# KiCad board HW.ACIM-PSU.kicad_pcb (continued)
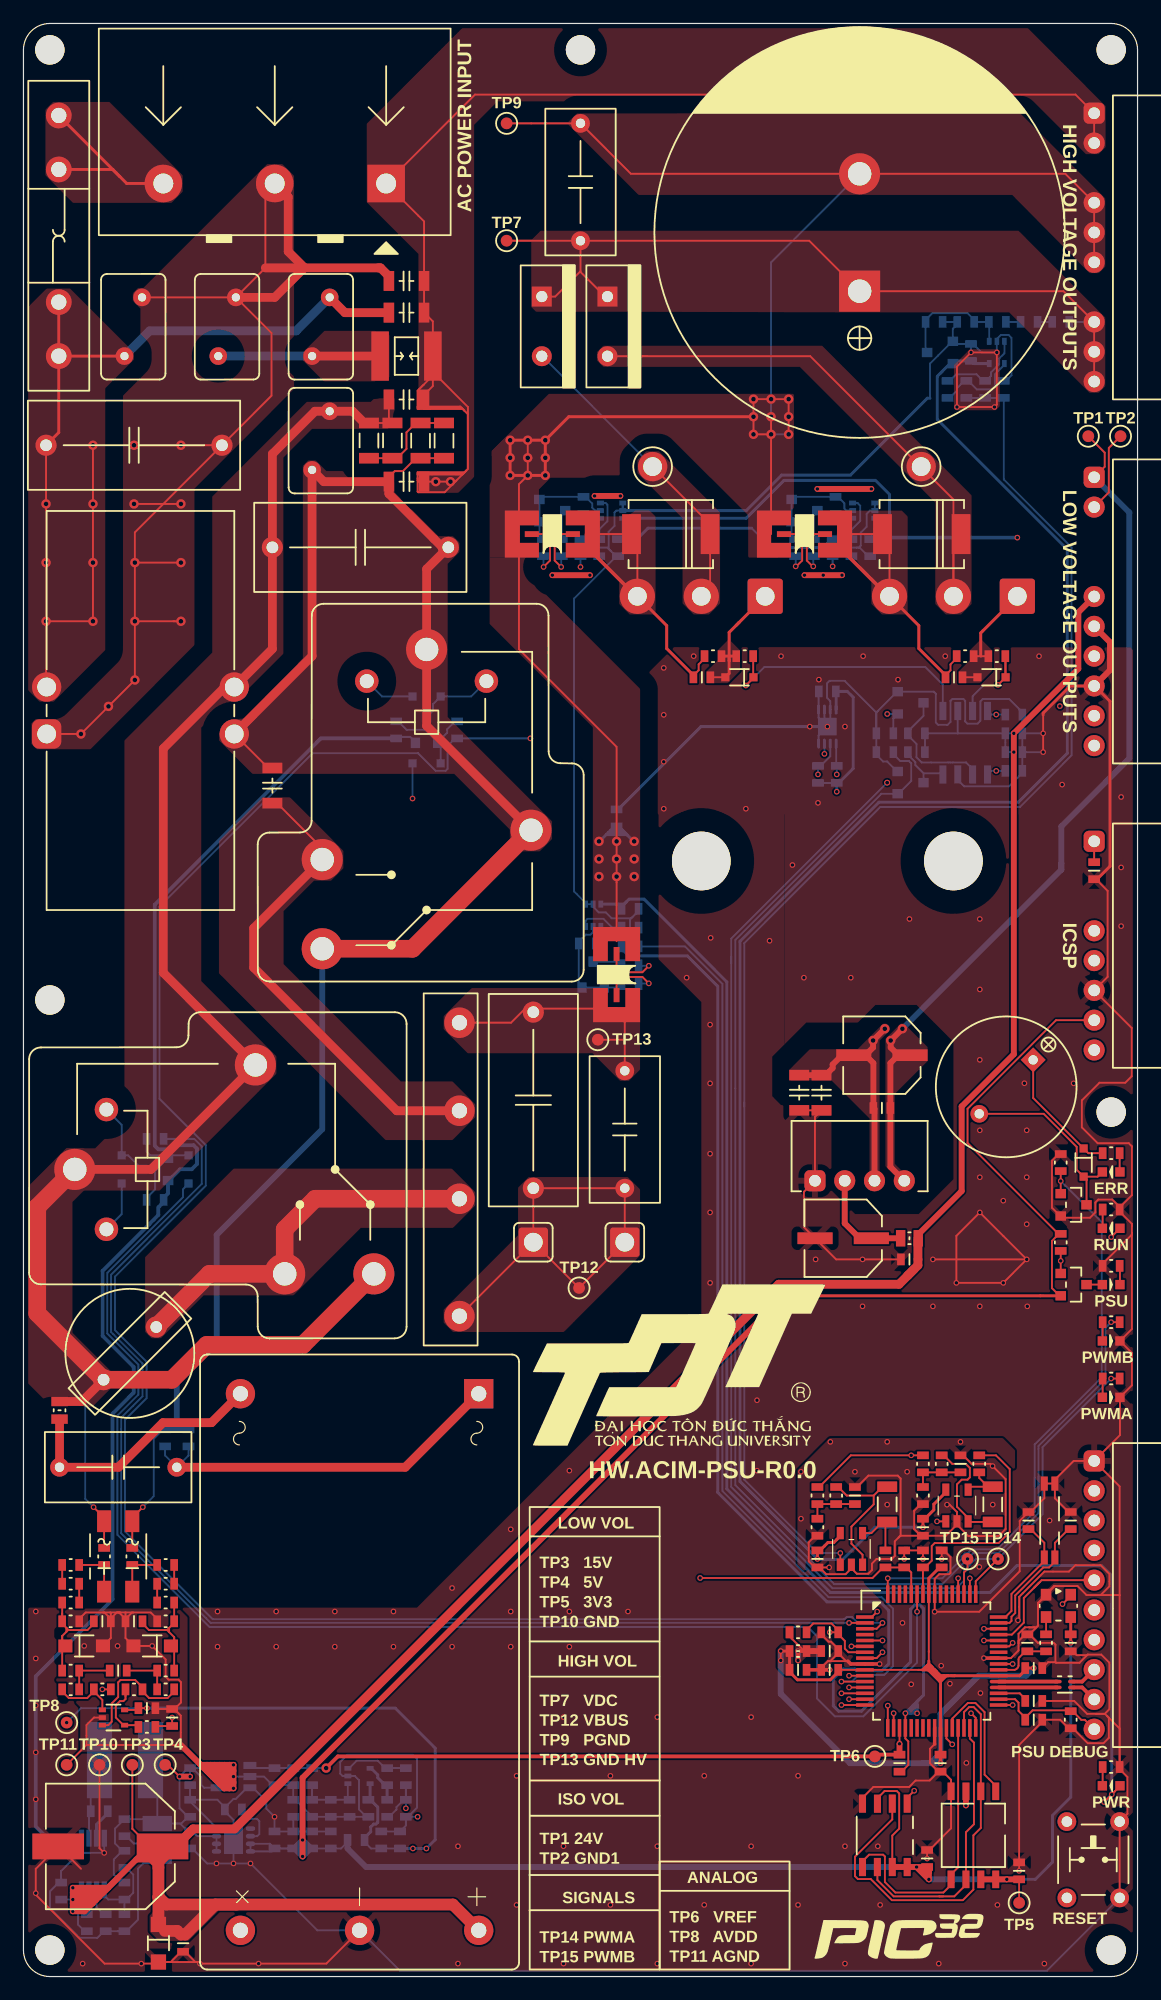
[diagram p0: board, top side]
## Footprints (pads in the part's own frame, mm; a bottom-side part is the same pattern mirrored in y, then rotated)
01000056Z
  round 2.2 hole 1.3: 1(-10.25,0) 1(-5.65,0) 2(5.65,0) 2(10.25,0)
AT-1224
  round 1.5 hole 0.8: 1(3.25,0)
  rect 1.5x1.5 hole 0.8: 2(-3.25,0)
B1524S-1WR3
  rrect 1.8x1.8 hole 1: 1(-3.81,0)
  round 1.8 hole 1: 2(-1.27,0) 3(1.27,0) 4(3.81,0)
BUTTON_4P_6x6
  round 1.6 hole 0.9: 1(-3.25,2.25) 2(3.25,2.25) 3(-3.25,-2.25) 4(3.25,-2.25)
CAP0603
  rect 0.65x1 smd: 1(-0.725,0) 2(0.725,0)
CAP1206
  rect 0.9x1.7 smd: 1(-1.5,0) 2(1.5,0)
CAP1411
  rect 1.3x2.5 smd: +(-1.4,0) -(1.4,0)
CAP_ELEC-6.6x6.6-DIA6.3
  rect 3x1 smd: +(-2.4,0) -(2.4,0)
CAP_ELEC-10.3x10.3-DIA10
  rect 4.4x2.2 smd: +(-4.45,0) -(4.45,0)
CAP_FILM_6.0x12.0x12.5-P10
  round 1.6 hole 0.8: 1(-5,0) 2(5,0)
CDFN3225-4LD-PL-1
  rect 1x0.9 smd: 1(-0.95,1.05) 2(-0.95,-1.05) 3(0.95,-1.05) 4(0.95,1.05)
DFN8_3x3_MCHP
  oval 0.4x0.8 smd: 1(-0.975,-1.45) 2(-0.325,-1.45) 3(0.325,-1.45) 4(0.975,-1.45) 5(0.975,1.45) 6(0.325,1.45) 7(-0.325,1.45) 8(-0.975,1.45)
  rect 2.4x1.6 smd: 9(0,0)
DO-214AB
  rect 1.6x3.4 smd: A(3.35,0) K(-3.35,0)
ECWFE2W105
  round 1.8 hole 1: 1(-7.5,0) 2(7.5,0)
ESMQ451VSN681MA50S
  rect 3.5x3.5 hole 2: +(-5,0)
  round 3.5 hole 2: -(5,0)
FT0603
  rect 0.65x1 smd: 1(-0.725,0) 2(0.725,0)
GBJ25xx
  round 2.6 hole 1.3: 1(-12.5,0) 2(-2.5,0) 3(5,0) 4(12.5,0)
GDT1812_3532
  rect 1.5x4.2 smd: 1(-2.25,0) 2(2.25,0)
HDF1x10x2.54_TH_RA
  rrect 1.8x1.8 hole 1: 1(-11.43,0)
  round 1.8 hole 1: 2(-8.89,0) 4(-3.81,0) 5(-1.27,0) 6(1.27,0) 8(6.35,0) 9(8.89,0) 10(11.43,0)
HDF1x10x2.54_TH_RA#2
  rrect 1.8x1.8 hole 1: 1(-11.43,0)
  round 1.8 hole 1: 2(-8.89,0) 5(-1.27,0) 6(1.27,0) 7(3.81,0) 8(6.35,0) 9(8.89,0) 10(11.43,0)
HDM1x8x2.54_TH_RA
  rrect 1.8x1.8 hole 1: 1(-8.89,0)
  round 1.8 hole 1: 4(-1.27,0) 5(1.27,0) 6(3.81,0) 7(6.35,0) 8(8.89,0)
HDM1x10x2.54_TH_RA
  rrect 1.8x1.8 hole 1: 1(-11.43,0)
  round 1.8 hole 1: 2(-8.89,0) 3(-6.35,0) 4(-3.81,0) 5(-1.27,0) 6(1.27,0) 7(3.81,0) 8(6.35,0) 9(8.89,0) 10(11.43,0)
IND0805
  rect 0.8x1.4 smd: 1(-0.75,0) 2(0.75,0)
IND1210_4P
  rrect 0.7x0.3 smd: 1(-0.625,0.25) 2(0.625,0.25) 3(0.625,-0.25) 4(-0.625,-0.25)
IND6045
  rect 6.5x2.15 smd: 1(0,2.175) 2(0,-2.175)
LAMP_6.35MM
  round 1.8 hole 1: 1(-3.175,0) 2(3.175,0)
LD10-23BxxR2-RC
  rect 2.5x2.5 hole 1.3: 1(-22.86,10.16)
  round 2.5 hole 1.3: 2(-22.86,-10.16) 3(22.86,-10.16) 4(22.86,0) 5(22.86,10.16)
LED0603
  rect 0.8x0.8 smd: A(0.75,0) K(-0.75,0)
MBF
  rect 1.2x1.85 smd: 1(1.2,3) 2(1.2,-3) 3(-1.2,-3) 4(-1.2,3)
MOV5MM
  round 1.5 hole 0.7: 1(-2.5,0.75) 2(2.5,-0.75)
MSOP8_MCHP
  rect 0.45x1.45 smd: 1(-0.975,-2.2) 2(-0.325,-2.2) 3(0.325,-2.2) 4(0.965,-2.2) 5(0.965,2.2) 6(0.325,2.2) 7(-0.325,2.2) 8(-0.975,2.2)
PAD01-2516
  rrect 2.5x2.5 hole 1.6: 1(-0.05,0)
PAD01-2516#2
  round 2.5 hole 1.6: 1(0,0)
PAD01-2516#3
  rrect 2.5x2.5 hole 1.6: 1(0,0)
RES0603
  rect 0.65x1 smd: 1(-0.725,0) 2(0.725,0)
RES1206
  rect 0.9x1.7 smd: 1(-1.5,0) 2(1.5,0)
SHU2512
  custom 2.91x4.01 smd: 1(-2.85,0) 2(2.85,0)
  rect 1.2x0.5 smd: 3(-1.75,0) 4(1.75,0)
SLA-12VDC-SL-C
  round 2 hole 1.2: 1(-5.1,2.5) 2(5.1,2.5)
  round 3.5 hole 2: 3(0,-0.2) 4(-8.9,15.2) 5(8.9,25.3) 6(8.9,17.7)
SMD4-7015
  rect 1.2x0.6 smd: 1(-3.15,-0.45) 2(3.15,-0.45) 3(3.15,0.45) 4(-3.15,0.45)
SO8W_5.3
  rect 1.5x0.6 smd: 1(-3.75,1.905) 2(-3.75,0.635) 3(-3.75,-0.635) 4(-3.75,-1.905) 5(3.75,-1.905) 6(3.75,-0.635) 7(3.75,0.635) 8(3.75,1.905)
SOD-123
  rect 1.2x1.1 smd: A(1.6,0) K(-1.6,0)
SOD-123FL_12
  rect 1.3x1.3 smd: 1(1.6,0) 2(-1.6,0)
SOD-323
  rect 0.7x0.7 smd: A(1.2,0) K(-1.2,0)
SOIC8_3.9_MCHP
  rect 0.6x1.55 smd: 1(-1.905,-2.7) 2(-0.635,-2.7) 3(0.629,-2.696) 4(1.905,-2.7) 5(1.905,2.7) 6(0.635,2.7) 7(-0.635,2.7) 8(-1.905,2.7)
SOT23
  rect 0.8x0.9 smd: 1(-0.95,-1.1) 2(0.951,-1.102) 3(0,1.1)
SOT25_DIODES
  rect 0.6x1.05 smd: 1(-0.95,-1.35) 2(0,-1.35) 3(0.95,-1.35) 4(0.95,1.35) 5(-0.95,1.35)
SOT353
  rect 0.6x0.4 smd: 1(-0.95,0.65) 2(-0.95,0) 3(-0.95,-0.65) 4(0.95,-0.65) 5(0.95,0.65)
SOT363
  rect 0.42x0.6 smd: 1(-0.65,-0.95) 2(0,-0.95) 3(0.65,-0.95) 4(0.65,0.95) 5(0,0.95) 6(-0.65,0.95)
SOT-23-6_MCHP
  rect 0.6x1.1 smd: 1(-0.95,-1.4) 2(0,-1.4) 3(0.95,-1.4) 4(0.95,1.4) 5(0,1.4) 6(-0.95,1.4)
TDFN8_2x3_MCHP
  rrect 0.25x0.85 smd: 1(-0.75,-1.45) 2(-0.25,-1.45) 3(0.25,-1.45) 4(0.75,-1.45) 5(0.75,1.45) 6(0.25,1.45) 7(-0.25,1.45) 8(-0.75,1.45)
  rect 1.6x1.5 smd: 9(0,0)
TMB3_9.5
  rect 3.2x3.2 hole 1.7: 1(-9.5,0)
  round 3.2 hole 1.7: 2(0,0) 3(9.5,0)
TO-218AC-HF
  round 5 hole 5 unplated: (0,22.55)
  rrect 3x3 hole 1.6: 1(5.45,0)
  round 3 hole 1.6: 2(0,0) 3(-5.45,0)
TO-220
  round 1.7 hole 0.95: A(2.54,0)
  rect 1.7x1.7 hole 0.95: K(-2.54,0)
ToroidCoil-3119-13-D1
  rrect 2.5x2.5 hole 1.6: 1(-2,8)
  round 2.5 hole 1.6: 2(-2,-8) 3(2,8) 4(2,-8)
TP1MM
  round 1 smd: 1(0,0)
TQFP64_10x10_MCHP
  rect 1.5x0.3 smd: 1(-5.7,3.75) 2(-5.7,3.25) 3(-5.7,2.75) 4(-5.7,2.25) 5(-5.7,1.75) 6(-5.7,1.25) 7(-5.7,0.75) 8(-5.7,0.25) 9(-5.7,-0.25) 10(-5.7,-0.75) 11(-5.7,-1.25) 12(-5.7,-1.75) 13(-5.7,-2.25) 14(-5.7,-2.75) 15(-5.7,-3.25) 16(-5.7,-3.75) 33(5.7,-3.75) 34(5.7,-3.25) 35(5.7,-2.75) 38(5.7,-1.25) 39(5.7,-0.75) 40(5.7,-0.25) 41(5.7,0.25) 42(5.7,0.75) 43(5.7,1.25) 44(5.7,1.75) 45(5.7,2.25) 46(5.7,2.75) 47(5.7,3.25) 48(5.7,3.75)
  rect 0.3x1.5 smd: 17(-3.75,-5.7) 18(-3.25,-5.7) 19(-2.75,-5.7) 20(-2.25,-5.7) 21(-1.75,-5.7) 22(-1.25,-5.7) 23(-0.75,-5.7) 24(-0.25,-5.7) 25(0.25,-5.7) 26(0.75,-5.7) 27(1.25,-5.7) 28(1.75,-5.7) 29(2.25,-5.7) 30(2.75,-5.7) 31(3.25,-5.7) 32(3.75,-5.7) 49(3.75,5.7) 50(3.25,5.7) 51(2.75,5.7) 52(2.25,5.7) 53(1.75,5.7) 54(1.25,5.7) 55(0.75,5.7) 56(0.25,5.7) 57(-0.25,5.7) 58(-0.75,5.7) 59(-1.25,5.7) 60(-1.75,5.7) 61(-2.25,5.7) 62(-2.75,5.7) 63(-3.25,5.7) 64(-3.75,5.7)
  rrect 1.5x0.3 smd: 36(5.7,-2.25) 37(5.7,-1.75)
unnamed
  round 2.5 hole 2.5 unplated: (0,0)

## Nets
+3V3: C25.2 C27.2 C30.2 C31.2 C37.2 C76.2 C77.2 C87.2 C90.2 FT4.1 FT6.1 J3.7 Q7.2 R14.2 R16.2 R75.1 R76.1 TP5.1 U2.7 U2.8 U4.8 U15.3 U15.7 U15.8 U16.3 U16.7 U16.8 U17.4
+5V: BZ1.2 C17.2 C19.+ C20.2 C22.2 C23.2 C32.2 C49.2 C50.2 C62.2 D3.K D5.K D19.K D22.A J4.7 L3.2 R5.2 R78.2 RL1.2 RL2.2 TP4.1 U2.1 U2.2 U2.3 U3.4 U3.6 U7.3 U8.3 U10.3
+15V: C4.2 C6.+ C9.2 C38.2 C41.2 C42.2 D1.2 J4.5 L2.1 MD1.5 R3.2 R21.1 R23.1 TP3.1 U1.4 U5.6
+24V: C16.2 C18.+ J4.1 MD2.4 TP1.1
/MCU/VBUS: C81.2 J5.10 R82.1 U14.34
AGND: C26.1 C29.1 C33.1 C34.1 C45.1 C46.1 C49.1 C50.1 C51.1 C53.1 C54.1 C55.1 C57.1 C58.1 C59.1 C61.1 C62.1 C63.1 C64.1 C65.1 C66.2 C67.1 C68.1 C69.1 C71.2 C80.1 D14.A D15.A D17.1 FT2.1 R30.1 R43.2 R44.2 R60.1 R62.1 R66.2 TP11.1 U3.2 U3.5 U6.2 U7.1 U7.2 U8.1 U8.2 U9.2 U10.1 U10.2 U11.2 U12.2 U13.2 U14.20
AVDD: C33.2 C34.2 C51.2 C59.2 C67.2 C68.2 C69.2 D17.2 FT4.2 TP8.1 U6.5 U9.5 U11.5 U12.5 U13.5
GND: BT1.3 BT1.4 C4.1 C6.- C8.1 C9.1 C10.- C14.1 C15.1 C17.1 C19.- C20.1 C22.1 C23.1 C24.1 C25.1 C27.1 C30.1 C31.1 C37.1 C38.1 C41.1 C42.1 C72.1 C73.1 C74.1 C75.1 C76.1 C77.1 C78.1 C79.1 C81.1 C82.1 C83.1 C84.1 C85.1 C86.1 C87.1 C88.1 C89.1 C90.1 D1.1 D23.K D24.K FT2.2 FT3.1 J3.6 J4.6 J4.8 J5.1 MD1.4 MD2.1 Q1.2 Q2.2 Q4.2 Q5.2 Q8.2 R6.1 R11.2 R13.2 R20.2 R22.2 R24.1 R26.1 R77.1 R79.2 R80.2 R81.2 R82.2 TP10.1 U1.5 U1.8 U2.4 U2.9 U3.3 U4.4 U4.5 U4.6 U4.7 U4.9 U5.3 U14.9 U14.25 U14.41 U14.56 U15.4 U16.4 U17.2 X1.2 X1.3
GND1: C14.2 C15.2 C16.1 C18.- J4.2 MD2.3 TP2.1
GND_HV: BR1.4 C28.1 C35.1 R15.1 TP13.1
PGND: C43.1 C44.- FT3.2 J2.4 J2.5 J2.6 R15.2 R19.1 R28.1 TP9.1
VBUS: BR1.1 C28.2 C35.2 J6.1 J8.1 TP12.1
/Interleaved PFC/IDC_SENSE_N: R15.3 R35.2
/Interleaved PFC/IDC_SENSE_P: R15.4 R36.2
/Interleaved PFC/PFC_ENA: R24.2 U5.1 U14.52
/Interleaved PFC/PFC_ENB: R26.2 U5.8 U14.50
/Interleaved PFC/PFC_GATE_A: D9.K R25.2 U5.7
/Interleaved PFC/PFC_GATE_B: D6.K R17.2 U5.5
/Interleaved PFC/PFC_IA_SENSE_N: R19.3 R33.2
/Interleaved PFC/PFC_IA_SENSE_P: R19.4 R34.2
/Interleaved PFC/PFC_IB_SENSE_N: R28.3 R55.2
/Interleaved PFC/PFC_IB_SENSE_P: R28.4 R56.2
/Interleaved PFC/PFC_PWMA: Q4.1 R20.1 R84.2 TP14.1 U14.49
/Interleaved PFC/PFC_PWMB: Q5.1 R22.1 R85.2 TP15.1 U14.51
/Interleaved PFC/SCL: R16.1 U4.2 U14.5
/Interleaved PFC/SDA: R14.1 U4.1 U14.6
/Interleaved PFC/~{THERMAL_ALERT}: U4.3 U14.8
/MCU/CTS2: J5.2 U14.33
/MCU/IDC_SENSE: C58.2 R48.2 U12.1 U14.12
/MCU/IND_ERR: Q8.1 R79.1 U14.64
/MCU/IND_RUN: D21.A U14.1
/MCU/PFC_IA_SENSE: C57.2 R47.2 U14.13
/MCU/PFC_IB_SENSE: C63.2 R58.2 U14.14
/MCU/PFC_VREF: C55.2 R45.1 R46.2 R53.1 U14.16
/MCU/PGC: J3.4 U14.17
/MCU/PGD: J3.5 Q7.1 R75.2 U14.18
/MCU/RL_INRUSH_EN: J4.10 R10.1 U14.3
/MCU/RL_TEST_EN: R12.1 U14.2
/MCU/RTS2: J5.3 U14.32
/MCU/RXD1: J5.6 U14.44
/MCU/RXD2: J5.4 U14.43
/MCU/SCK: U14.31 U15.6 U16.6
/MCU/SDI: U14.30 U15.2 U16.2
/MCU/SDO: U14.29 U15.5 U16.5
/MCU/SOSCI: C89.2 U14.47 X1.1
/MCU/SOSCO: C88.2 U14.48 X1.4
/MCU/SYS_CLK: C84.2 R83.1 U14.39
/MCU/SYS_CLK_EN: U14.40 U17.1
/MCU/TXD1: J5.7 U14.46
/MCU/TXD2: J5.5 U14.45
/MCU/USB_DM: FT5.3 J5.9
/MCU/USB_DP: FT5.2 J5.8
/MCU/VAC_SENSE: C61.2 R57.2 U14.15
/MCU/VDC_SENSE: C71.1 R73.1 R74.2 U13.1 U14.11
/MCU/~{INV_FAULT}: D4.K J4.9 U14.59
/MCU/~{MCLR}: BT1.1 BT1.2 C75.2 J3.8 R76.2 U14.7
/MCU/~{MEM_CFG}: U14.28 U16.1
/MCU/~{MEM_TMP}: U14.27 U15.1
/MCU/~{PFC_FLT_OC}: C73.2 D2.K R72.2 U14.60
/MCU/~{PFC_FLT_OV}: C72.2 R71.2 U14.58
/VC Measurement/VAC_SENSE_N: C54.2 D15.K R42.2 R44.1 R50.2
/VC Measurement/VAC_SENSE_P: C53.2 D14.K R41.2 R43.1 R49.2
AC1: B1.1 BR2.2 C7.1 C11.2 FT1.4 L1.1 M4.2 R4.2 R7.2 R31.2 RL2.3 RL2.4 RL2.5
AC2: BR2.3 C11.1 C12.1 C21.1 FT1.2 M4.1 R1.2 R2.2 R8.2 R9.2 R32.2 RL1.3 RL1.4 RL1.5
CHASSIS: C3.2 C5.2 C7.2 C12.2 G1.1 J1.1 J2.1 J2.2
VDC: C43.2 C44.+ D8.K D11.K J2.8 J2.9 J2.10 R63.1 TP7.1
VREF: C26.2 C29.2 C80.2 R29.2 R59.2 R61.2 TP6.1 U3.1 U14.19
Net-(BR1-AC1): B1.2 BR1.2 RL2.6
Net-(BR1-AC2): BR1.3 C21.2 RL1.6
Net-(BR2-DC+): BR2.1 R31.1 R37.1
Net-(BR2-DC-): BR2.4 R32.1 R38.1
Net-(BZ1-V-): BZ1.1 D19.A D20.K Q8.3
Net-(C2-Pad1): C2.1 C3.1 FT1.1 J1.2 M1.1 M2.2
Net-(C2-Pad2): C2.2 C5.1 F1.2 FT1.3 M1.2 M3.2
Net-(C56-Pad1): C56.1 R50.1 R52.2
Net-(C56-Pad2): C56.2 R49.1 R51.2
Net-(C64-Pad2): C64.2 R59.1 R60.2 R67.2
Net-(C65-Pad2): C65.2 R61.1 R62.2 R68.2
Net-(C74-Pad2): C74.2 J3.1
Net-(D12-A1): C47.2 D12.1 D12.2 R33.1 U7.5
Net-(D12-COM): C47.1 D12.3 R34.1 U7.4
Net-(D13-A1): C48.2 D13.1 D13.2 R35.1 U8.5
Net-(D13-COM): C48.1 D13.3 R36.1 U8.4
Net-(D16-A1): C60.2 D16.1 D16.2 R55.1 U10.5
Net-(D16-COM): C60.1 D16.3 R56.1 U10.4
Net-(D17-COM): C66.1 D17.3 R65.2 R66.1 U11.1
Net-(D18-PadK): D18.K R77.2
Net-(D20-PadA): D20.A R78.1
Net-(D21-PadK): D21.K R80.1
Net-(D22-PadK): D22.K R81.1
Net-(D23-PadA): D23.A R84.1
Net-(D24-PadA): D24.A R85.1
Net-(F1-Pad1): F1.1 J1.3
Net-(G1-Pad2): G1.2 M2.1 M3.1
Net-(MD1-ACL): C1.2 L1.2 MD1.2
Net-(MD1-ACN): C1.1 MD1.1 R1.1 R2.1
Net-(MD2-VI+): C10.+ L2.2 MD2.2
Net-(Q1-D): D3.A Q1.3 RL1.1
Net-(Q1-G): D2.A Q1.1 R10.2 R11.1
Net-(Q2-D): D5.A Q2.3 RL2.1
Net-(Q2-G): D4.A Q2.1 R12.2 R13.1
Net-(Q3-D): D7.K D8.A J9.1 Q3.2
Net-(Q3-G): C36.2 D6.A Q3.1 R17.1 R18.1
Net-(Q3-S): C36.1 D7.A Q3.3 R18.2 R19.2
Net-(Q4-D): Q4.3 R21.2 U5.2
Net-(Q5-D): Q5.3 R23.2 U5.4
Net-(Q6-D): D10.K D11.A J7.1 Q6.2
Net-(Q6-G): C40.2 D9.A Q6.1 R25.1 R27.1
Net-(Q6-S): C40.1 D10.A Q6.3 R27.2 R28.2
Net-(Q7-D): D18.A Q7.3
Net-(R4-Pad1): R4.1 R7.1 R8.1 R9.1
Net-(R37-Pad2): R37.2 R39.1
Net-(R38-Pad2): R38.2 R40.1
Net-(R39-Pad2): R39.2 R41.1
Net-(R40-Pad2): R40.2 R42.1
Net-(R63-Pad2): R63.2 R64.1
Net-(R64-Pad2): R64.2 R65.1
Net-(U1-BOOST): C13.2 U1.7
Net-(U1-EN): R3.1 U1.3
Net-(U1-SW): C13.1 L3.1 U1.6
Net-(U1-VCC): C8.2 U1.2
Net-(U1-VFB): C32.1 R5.1 R6.2 U1.1
Net-(U2-CDELAY): C24.2 U2.6
Net-(U6-VIN+): C45.2 C46.2 R29.1 R30.2 U6.1
Net-(U6-VIN-): C52.1 R46.1 U6.3
Net-(U6-VOUT): C52.2 R45.2 U6.4
Net-(U7-OUT): R47.1 U7.6
Net-(U8-OUT): R48.1 U8.6
Net-(U9-VIN+): R51.1 R53.2 U9.1
Net-(U9-VIN-): R52.1 R54.2 U9.3
Net-(U9-VOUT): R54.1 R57.1 U9.4
Net-(U10-OUT): R58.1 U10.6
Net-(U11-VIN-): C70.1 R74.1 U11.3
Net-(U11-VOUT): C70.2 R73.2 U11.4
Net-(U12-VIN+): R67.1 R69.2 U12.3
Net-(U12-VOUT): R69.1 R71.1 U12.4
Net-(U13-VIN+): R68.1 R70.2 U13.3
Net-(U13-VOUT): R70.1 R72.1 U13.4
Net-(U14-D+): FT5.1 U14.37
Net-(U14-D-): FT5.4 U14.36
Net-(U14-VDD1): C78.2 C82.2 C83.2 C85.2 C86.2 FT6.2 U14.10 U14.26 U14.38 U14.57
Net-(U14-VUSB3V3): C79.2 U14.35
Net-(U17-CLKO): R83.2 U17.3

Pads without a net: MD1 3; U2 5; U14 4 21 22 23 24 42 53 54 55 61 62 63

## Via types
v1: diameter 0.48, hole 0.3, Top to Bottom, 269 vias
v2: diameter 0.8, hole 0.4, Top to Bottom, 52 vias

## Routing (per net, layer and track width the routed paths; a pad name or vN(x,y) marks a point on that pad's centre or on a via; arc(x,y) is an arc through that point)
+3V3: length 353.9
  Top w0.16: U15.7 74.09,12.01 74.67,12.6 74.67,15.6 74.47,15.8 73.42,15.8 72.82,15.2 U15.3 ; C76.2 TP5.1 ; Q7.2 88.42,58 ; Q7.2 88.35,58 87.7,58.65 87.7,62.68 88.3,63.28 R75.1 88.25,63.28 80.5,71.02 80.5,73.93 88.05,81.48 J3.7 ; Q7.2 88.43,58 ; FT6.1 66.58,27.73 65.33,28.98 R76.1 ; 86.97,58 86.7,58
  Top w0.25: U17.4 C90.2 v1(89.3,28.43) ; v1(64.87,58) Q7.2
  Top w0.32: v1(66.05,26.93) v1(66.05,27.73) 67.35,27.73
  Top w0.5: U16.3 v1(80.37,14.58) ; v1(76.16,9.33) v1(77.21,8.28) 77.21,8.88 ; v1(76.16,9.33) C77.2 ; v1(76.16,9.33) U15.7 ; C77.2 77.21,9.18 77.21,8.88 ; C77.2 77.06,9.03 77.21,8.88 ; 81.84,8.28 v1(83.85,8.28) 85.1,8.28 ; v1(65.67,58) v1(64.87,58) 23.8,16.93 v1(23.8,11.63) v1(23.8,10.23) ; FT6.1 C87.2
  In1.Cu w0.5: v1(66.05,27.73) v1(66.05,26.93) 66.05,19.43 v1(76.16,9.33) v1(77.21,8.28) ; v1(65.67,58) v1(64.87,58) ; v1(23.8,11.63) v1(23.8,10.23)
  In2.Cu w0.16: v1(83.85,8.28) 80.37,11.76 v1(80.37,14.58)
  In2.Cu w0.25: v1(69.35,100.95) 67.7,100.95 64.47,97.72 64.47,91 62.72,89.25 62.72,60.15 v1(64.87,58)
  In2.Cu w0.5: v1(23.8,11.63) v1(23.8,10.23) ; v1(65.67,58) v1(64.87,58) ; v1(66.05,27.73) v1(66.05,26.93)
  Bottom w0.16: C25.2 C31.2 27.09,10.91 27.64,11.46 FT4.1 ; C25.2 C27.2 ; C25.2 21.16,10.66 U2.8 U2.7 21.01,11.31 C25.2 ; 69.28,109.35 C37.2 69.3,109.47 ; R16.2 R14.2 69.53,101.7
  Bottom w0.25: v1(89.3,28.43) 89.3,15.28 87.75,13.73 87.75,9.75 86.28,8.28 v1(83.85,8.28) ; 69.28,109.35 69.43,109.49 70.25,109.49 70.75,108.99 70.75,102.92 69.53,101.7 ; v1(69.35,100.95) R14.2 ; U4.8 69.3,109.47
  Bottom w0.5: v1(65.67,58) v1(64.87,58) ; v1(23.8,11.63) v1(23.8,10.23) ; v1(23.8,11.63) 24.52,10.91 C30.2 24.48,10.91 v1(23.8,10.23) ; v1(23.8,11.63) 23.08,10.91 C27.2 23.12,10.91 v1(23.8,10.23) ; v1(83.85,8.28) v1(77.21,8.28) v1(76.16,9.33) 29.22,9.33 27.64,10.91 FT4.1 ; v1(66.05,27.73) v1(66.05,26.93)
+5V: length 546.1
  Top w0.16: v1(13.31,17.03) 12.31,18.03 TP4.1 ; 93.07,15.79 93.5,16.21 D22.A ; 93.07,15.79 v1(92.15,14.86) ; 93.07,15.79 v1(92.8,15.51) ; 92.03,70.33 R78.2 90.8,70.15 D19.K 86.1,74.85 86.1,78.1 BZ1.2
  Top w0.5: v1(14.21,17.03) v1(13.31,17.03)
  In1.Cu w0.5: 14.21,16.55 v1(14.21,17.03) 13.78,17.03 ; 14.21,16.55 14.21,16.6 13.78,17.03 ; 14.21,16.55 14.21,16.13 ; 14.21,16.13 23.47,6.88 85.9,6.88 91.22,12.2 91.22,13.94 v1(92.15,14.86) v1(92.8,15.51) ; 14.21,16.13 v1(13.31,17.03) 13.78,17.03 ; BZ1.2 86.1,107.29 J4.7
  In2.Cu w0.16: 13.31,17.94 13.23,18.01
  In2.Cu w0.32: RL2.2 12.58,69.17 12.58,93.67 RL1.2 ; v1(84.75,122.59) 87.93,122.59 90.07,120.45 90.07,113.72 J4.7
  In2.Cu w0.5: 13.87,17.03 v1(13.31,17.03) 13.31,17.5 ; 13.87,17.03 v1(14.21,17.03) 8.82,22.42 8.82,48.25 10.18,49.6 10.18,51.95 7.08,55.05 RL2.2 ; 13.87,17.03 13.78,17.03 13.31,17.5 ; v1(92.15,14.86) v1(92.8,15.51) 94.32,17.04 94.32,66.65 86.1,74.88 BZ1.2 ; 13.31,17.5 13.31,17.94
  Bottom w0.16: 72.35,122.62 C62.2 72.4,122.47 72.6,122.67 U10.3 ; D3.K 30.58,109.07 RL1.2 ; v1(13.31,17.03) v1(14.21,17.03) C23.2 ; v1(13.31,17.03) 14.04,17.76 C23.2 ; v1(13.31,17.03) 13.31,14.33 14.04,13.61 ; 13.11,13.03 C19.+ ; 13.11,13.03 13.36,13.03 14.04,12.36 C20.2 14.44,12.36 14.84,11.96 U2.3 U2.1 ; 13.11,13.03 13.46,13.03 14.04,13.61 ; C19.+ 11.04,13.41 C17.2 ; C19.+ 11.41,17.86 L3.2 ; C23.2 14.39,17.76 15.16,16.98 15.16,16.33 15.41,16.08 U3.4 ; C23.2 16.29,17.76 U3.6 ; 14.04,13.61 C22.2 14.04,13.61 ; C17.2 7.81,12.61 7.81,11.33 8.44,10.71 ; C17.2 8.79,13.41 ; C32.2 8.79,10.71 ; C32.2 8.44,10.71 ; C32.2 8.44,10.71 ; 8.44,10.71 7.71,9.98 7.71,8.69 8.39,8.01 R5.2 ; U7.3 51.1,122.59 50.95,122.44 50.73,122.44 C49.2 50.85,122.62 ; D5.K 8.38,64.97 RL2.2
  Bottom w0.25: C50.2 51,91.12 50.75,91.37 50.58,91.37 ; C50.2 50.98,90.97 50.58,91.37 ; C50.2 51,91.15 51.38,91.53 ; 72.6,123.02 72.6,123.32 73.85,124.57 73.85,124.87 ; 92.8,31.33 92.8,31.72 ; 92.8,31.33 v1(92.8,15.51) v1(92.15,14.86) ; 92.8,31.33 92.8,34.15 91.93,35.02 84.72,35.02 82.42,32.72 68.8,32.72 59.98,41.54 59.98,84.74 52.93,91.79 51.64,91.79 51.38,91.53 ; 50.58,91.37 51.22,91.37 51.38,91.53 ; 50.58,91.37 U8.3 ; 73.85,124.87 73.85,123.92 72.4,122.47 C62.2 ; 73.85,124.87 73.85,126.27 72.65,127.47 64.85,127.47 61.62,124.24 U7.3
  Bottom w0.32: v1(84.75,122.59) 72.33,122.59 C62.2
+15V: length 261.4
  Top w0.16: 13.79,3.56 C4.2 13.44,3.56 ; 11.51,10.73 C6.+ ; C6.+ 10.74,11.08 ; C6.+ 10.79,11.08 9.29,12.58 TP3.1 ; L2.1 76.27,62.88 ; 12.06,3.88 D1.2
  Top w0.5: 4.21,5.94 5.59,5.94 5.6,5.95 ; 4.21,5.94 v1(4.21,5.56) 5.21,5.56 5.6,5.95 ; 4.21,5.94 4.21,6.23 ; 8.02,8.37 6.45,6.8 ; 8.02,8.37 9.62,9.97 ; 8.02,8.37 7.21,7.56 ; 6.45,6.8 4.22,6.8 4.21,6.78 ; 6.45,6.8 6.17,6.52 ; 4.21,7.13 v1(4.21,7.56) 7.21,7.56 ; 4.21,7.13 6.79,7.13 7.21,7.56 ; 4.21,7.13 4.21,6.78 ; 6.17,6.52 6.14,6.56 v1(4.21,6.56) ; 6.17,6.52 5.92,6.27 ; L2.1 76.3,63.22 80,66.92 80,74.13 84.45,78.58 v1(84.45,104.32) v1(84.45,105.92) 89.95,111.42 89.95,116.22 J4.5 ; 9.62,9.97 10.74,11.08 ; 9.62,9.97 10.82,9.97 11.51,9.28 ; 4.21,6.78 4.21,6.23 ; 4.21,6.23 5.89,6.23 5.92,6.27 ; 5.92,6.27 5.6,5.95
  Top w0.75: C6.+ 12.97,11.08 14.29,12.4 ; 14.29,12.4 14.47,12.58 18,12.58 64.4,58.98 74.66,58.98 75.42,59.74 ; 14.29,12.4 11.51,9.62 11.51,9.28 ; 75.42,59.74 76.27,60.59 C9.2 76.27,62.88 ; 75.42,59.74 75.95,60.27
  Top w1: D1.2 11.51,6.78 ; 11.51,6.78 11.51,10.73 ; 11.51,6.78 12.16,6.13 18.16,6.13 ; 12.06,3.88 13.11,3.88 13.44,3.56 ; 18.16,6.13 36.62,6.13 MD1.5 ; 18.16,6.13 16.36,6.13 13.79,3.56
  In1.Cu w0.5: v1(4.21,7.56) v1(4.21,5.56)
  In2.Cu w0.5: v1(4.21,7.56) v1(4.21,5.56)
  Bottom w0.16: C42.2 C41.2 v1(84.45,104.32) v1(84.45,105.92) C42.2 ; C42.2 79.67,105.92 ; 79.67,105.92 R21.1 R23.1 ; 79.67,105.92 U5.6 ; C38.2 v1(4.21,6.56) ; v1(4.21,6.56) v1(4.21,7.56) ; v1(4.21,6.56) 4.64,6.56 4.95,6.87 U1.4 4.95,6.05 4.66,5.76 4.66,4.41 5.21,3.86 R3.2 ; v1(4.21,6.56) v1(4.21,5.56)
+24V: length 80.9
  Top w0.16: J4.1 92.2,128.63 92.2,129.83 TP1.1
  Top w0.5: 74.6,78.5 73.95,79.15 v2(73.95,79.75) v2(74.95,80.75) ; 74.6,78.5 73.92,77.83 C16.2 73.92,68.99 MD2.4 ; 74.6,78.5 C18.+
  In1.Cu w0.5: v2(74.95,80.75) v2(73.95,79.75)
  In2.Cu w0.5: v2(74.95,80.75) v2(73.95,79.75)
  Bottom w0.5: J4.1 94.3,124.73 94.3,103.78 88.5,97.98 88.5,94.84 ; 88.5,94.3 88.5,94.84 ; 88.5,94.3 v2(74.95,80.75) v2(73.95,79.75) ; 88.5,94.3 88.5,94.84
/MCU/VBUS: length 10.5
  Top w0.16: 85.43,22.05 C81.2 85.43,22.05 ; 85.43,22.05 84.85,22.63 84.85,23.33 84.55,23.63 U14.34 ; 85.43,22.05 86.05,22.68 89.23,22.68 R82.1 89.47,22.6 90.2,21.87 90.5,21.87 J5.10
AGND: length 556.4
  Top w0.16: C59.1 11.33,22.79 C61.1 ; C65.1 71.08,41.7 72.05,42.68 74.55,42.68 74.8,42.43 74.8,37.58 74.63,37.4 ; C68.1 74.78,37.55 74.63,37.4 ; C68.1 78.65,37.55 79.6,38.5 ; C68.1 76.53,37.55 75.95,38.13 75.95,39.68 76.53,40.25 R60.1 ; v1(75.2,22.43) U14.20 75.2,20.28 75.45,20.03 75.45,18.03 74.88,17.45 C80.1 ; 8.7,30.47 9.25,31.02 9.35,31.02 ; 8.7,30.47 C54.1 ; 8.7,30.47 8.15,31.02 8.05,31.02 ; 11.4,30.27 11.4,30.47 10.85,31.02 9.35,31.02 ; 8.7,31.02 9.35,31.02 ; 8.7,31.02 8.25,31.02 ; 8.7,31.02 C54.1 ; 8.05,31.02 7.95,31.02 7.45,30.52 C53.1 ; 8.05,31.02 8.25,31.02 ; v1(17.91,17.03) 17.91,17.28 ; 17.91,17.28 17.91,17.29 ; 17.91,17.28 v1(17.91,18.03) ; R43.2 4.75,30.47 5.3,31.02 6.8,31.02 ; 7.4,31.02 7.45,30.97 C53.1 ; 7.4,31.02 6.8,31.02 ; 7.4,31.02 8.25,31.02 ; 79.6,38.5 U12.2 79.6,39.58 78.97,40.2 v1(78.75,40.2) ; 79.6,38.5 80.58,37.53 83.15,37.53 83.75,38.13 83.75,42.38 v1(82.64,43.49) 82.45,43.68 80.85,43.68 80.13,44.4 C64.1 80.08,44.4 ; D15.A 8.7,28.84 C54.1 ; D15.A 9.33,28.22 ; D15.A v1(10.98,28.17) 12.13,27.02 12.13,25.54 12.38,25.29 13.23,25.29 13.43,25.09 13.43,23.34 12.88,22.79 C61.1 ; 74.63,37.4 74.3,37.08 74.3,35.83 74.05,35.58 72.75,35.58 72.35,35.18 72.35,34.63 72.04,34.31 71.07,34.31 70.6,34.78 ; v1(68.7,34.85) C69.1 ; C69.1 67.88,34.85 68.45,34.28 70.1,34.28 70.6,34.78 ; C69.1 67.74,34.81 ; C69.1 67.48,34.85 66.96,35.37 66.96,36.99 67.53,37.55 R62.1 ; C61.1 12.85,22.79 13.42,22.23 13.42,19.73 5.38,19.73 ; 6.8,31.02 6.9,31.02 7.45,30.47 C53.1 ; U13.2 70.6,34.78 ; C53.1 7.45,28.84 D14.A ; 5.38,19.73 5.38,21.43 6.02,22.07 U9.2 ; 5.38,19.73 TP11.1 ; 15.39,17.76 14.99,18.16 15.12,18.03 ; 68.03,34.73 67.9,34.85 ; 83,133.92 v1(82.8,133.72) v1(79.6,133.72) 79.6,137.17 v1(80.8,138.37) v1(83,138.37) 83,133.92
  Top w0.5: 16.12,17.03 15.86,17.29 ; 16.12,17.03 16.46,16.69 ; 16.12,17.03 15.95,17.2 15.95,18.03 ; 15.86,17.29 13.42,19.73 ; 15.86,17.29 15.65,17.5 15.65,18.03 ; 15.95,18.03 15.65,18.03 ; 15.95,18.03 16.3,18.03 ; 15.65,18.03 15.12,18.03 15.62,17.53 ; 17.55,16.03 v1(17.91,16.03) v1(17.91,18.03) 17.55,18.03 ; 17.55,16.03 17.55,18.03 ; 17.55,16.03 17.12,16.03 ; 17.12,16.03 17.15,16.07 17.15,18.03 ; 17.12,16.03 16.79,16.37 ; 16.46,16.69 16.79,16.37 ; 16.46,16.69 16.3,16.85 16.3,18.03 ; 17.15,18.03 16.7,18.03 ; 17.15,18.03 17.55,18.03 ; 16.3,18.03 16.7,18.03 ; v1(50.9,126.14) v1(48.7,126.14) ; 16.79,16.37 16.7,16.45 16.7,18.03 ; v1(72.3,126.74) v1(67.7,126.74) ; v1(66.6,119.39) v1(69.8,119.39) ; v1(45.1,119.39) v1(48.3,119.39)
  In1.Cu w0.5: v1(17.91,18.03) v1(17.91,16.03)
  In2.Cu w0.16: v1(82.8,133.72) 82.8,138.17 v1(83,138.37) ; v1(66.6,119.39) 65.75,119.39 64.2,120.94 49.85,120.94 v1(48.3,119.39) ; v1(67.7,126.74) 67.7,126.14 63.2,121.64 51.15,121.64 48.7,124.09 v1(48.7,126.14) ; v1(76.2,22.43) 76.01,22.43
  In2.Cu w0.3: v1(75.2,22.43) 75.65,22.43 ; v1(75.2,22.43) 75.2,22.95 ; v1(75.2,22.43) 66.52,13.75 35.7,13.75 ; 75.65,22.43 75.2,22.88 75.2,22.95 ; 75.65,22.43 v1(76.2,22.43) ; 75.2,22.95 75.2,23.24 ; 35.7,13.75 33.75,13.75 v1(33.61,13.61) 34.22,13 35.15,13 35.15,13.2 35.7,13.75 ; 75.2,23.24 71.24,27.2 70.09,27.2 68.2,29.09 68.2,34.35 v1(68.7,34.85) ; 75.2,23.24 76.01,22.43
  Bottom w0.16: D17.1 79.2,139.32 77.3,137.42 77.3,134.47 ; D17.1 79.25,140.39 79.63,140.76 R66.2 C66.2 ; D17.1 79.48,139.1 C67.1 ; v1(80.8,138.37) C67.1 ; C67.1 80.98,139.1 81.7,138.37 v1(83,138.37) U11.2 83,139.51 83.35,139.86 84,139.86 84.25,139.61 84.25,136.42 83.78,135.95 C71.2 ; 50.08,121.47 49.9,121.64 49.9,123.09 50.4,123.59 50.4,124.74 50.56,124.89 U7.2 ; 50.08,121.47 49.8,121.74 48.4,121.74 47.68,122.47 C57.1 ; 50.08,121.47 50.53,121.02 C49.1 50.57,121.02 46.95,117.4 46.95,92.45 47.93,91.48 U8.1 U8.2 48.58,91.14 49.05,90.67 49.65,90.67 50.15,90.17 51.83,90.17 51.94,90.28 ; v1(82.8,133.72) v1(79.6,133.72) ; 72.5,125.54 U10.1 U10.2 72.18,124.89 71.9,124.62 71.9,123.52 71.4,123.02 71.4,121.92 71.23,121.74 71.05,121.74 ; 51.94,90.28 51.73,90.07 51.73,88.67 51,87.94 C58.1 ; 51.94,90.28 52.45,90.79 C50.1 ; v1(17.91,17.03) v1(17.91,18.03) v1(17.91,16.03) ; v1(17.91,17.03) U3.2 20.51,17.03 21.24,16.31 C26.1 C29.1 23,16.3 23,15.07 ; v1(17.91,17.03) U3.5 ; U7.2 U7.1 ; U7.2 U7.1 ; 71.05,121.74 71.3,121.74 72.03,121.02 C62.1 72.38,121.02 ; 71.05,121.74 69.9,121.74 69.18,122.47 C63.1 68.85,122.47 68.13,121.74 ; C50.1 52.45,90.82 ; C50.1 52.45,91.17 ; C55.1 32.79,13.61 33.56,14.38 33.56,18.53 33.21,18.88 27.61,18.88 27.01,18.28 27.01,17.28 27.21,17.08 U6.2 28.26,17.08 28.61,16.73 28.61,14.23 29.24,13.61 C51.1 ; C55.1 32.61,12.86 C33.1 ; C55.1 v1(33.61,13.61) ; U7.1 51.21,125.54 ; 23.01,15.07 23.18,15.07 24.64,13.61 29.09,13.61 ; C33.1 C34.1 30.34,12.36 ; C33.1 32.34,12.36 ; 67.8,127.92 67.65,127.92 ; 62.1,123.39 63.75,121.74
  Bottom w0.25: 75.86,23.09 75.9,23.13 76.2,23.13 ; 75.86,23.09 76.36,23.59 ; 75.86,23.09 75.36,22.59 ; 76.36,23.59 76.2,23.43 76.2,23.13 ; 76.36,23.59 76.75,23.98 76.75,31.35 76.45,31.65 76,31.65 75.65,31.3 75.65,26.8 71.45,22.6 69.52,22.6 69.06,23.06 69.06,25.36 69.9,26.2 70.9,26.2 71.04,26.06 73.21,26.06 73.78,26.63 73.78,31.19 73.05,31.92 68.53,31.92 59.2,41.24 59.2,84.37 56.61,86.96 51.61,86.96 51,87.57 C58.1 ; 76.2,22.88 76.2,23.13 ; 76.2,22.88 75.88,22.88 75.68,22.68 ; 76.2,22.88 76.2,22.68 ; 76.2,23.13 76.2,23 75.63,22.43 ; 63.75,121.74 68.13,121.74 ; 75.63,22.43 v1(76.2,22.43) 76.2,22.68 ; 75.63,22.43 v1(75.2,22.43) 75.36,22.59 ; 75.68,22.68 75.45,22.68 75.36,22.59 ; 75.68,22.68 76.2,22.68 ; 62.1,123.39 53.25,123.39 50.88,121.02 C49.1 ; U7.2 61.63,124.89 64.65,127.92 70.52,127.92 77.08,134.47 77.3,134.47
  vias: v1(5.18,28.17) v1(8.03,28.17) v1(66.3,43) v1(66.3,39) v1(68.2,119.39) v1(68.8,45.55) v1(70.9,43) v1(73.65,45.55) v1(73.65,40.2) v1(75.35,43) v1(79.9,45.55) v1(82.65,40.2)
AVDD: length 270.9
  Top w0.16: U9.5 9.65,22.72 C59.2 v1(10.53,22.87) ; C68.2 76.88,39
  Top w0.25: 76.88,39 77.63,39.76 77.63,40.24 78.65,41.27 U12.5 ; C68.2 v1(76.7,38.28) ; v1(67.7,35.58) C69.2 67.93,36.3 68.6,36.98 69.1,36.98 69.65,37.53 U13.5
  In2.Cu w0.16: v1(33.21,10.91) v1(34.36,10.91)
  In2.Cu w0.32: 67.7,29.44 67.7,28.85 69.86,26.7 71.06,26.7 73.1,24.65 73.1,21 66.35,14.25 33.4,14.25 32.61,13.46 32.61,11.51 v1(33.21,10.91) ; 67.7,29.44 v1(67.7,35.58) ; 67.7,29.44 67.7,29.13
  Bottom w0.16: C33.2 29.64,10.91 29.09,11.46 FT4.2 ; 79.48,137.65 D17.2 ; 29.56,15.21 C51.2 ; 10.91,22.87 4.92,22.87 v1(3.69,21.63) ; 81.03,137.42 C67.2
  Bottom w0.25: C67.2 79.48,137.65 ; U6.5 29.56,15.21 ; 34.41,10.91 v1(33.21,10.91) C33.2 ; D17.2 79.01,137.42 77.93,136.34 77.93,132.66 89.01,121.58 89.01,104.22 84.84,100.05 72.95,100.05 61.1,88.2 61.1,42.18 v1(67.7,35.58) 67.74,35.54 69.88,35.54 72.62,38.28 v1(76.7,38.28) ; C51.2 29.59,15.06 30.21,14.44 30.21,13.13 30.06,12.98 29.86,12.98 29.61,12.73 29.61,12.33 29.09,11.81 FT4.2 ; U11.5 81.03,137.42 ; v1(10.53,22.87) 31.7,22.87 35.11,19.46 35.11,11.66 v1(34.36,10.91)
GND: length 975.2
  Top w0.16: R80.2 93.47,65.53 94.52,66.57 94.52,70.73 94.25,71 91.6,71 90.25,72.35 90.25,74.65 91.75,76.15 93.95,76.15 94.5,76.7 94.5,80.82 J3.6 92.45,85.17 92.45,92.49 91.45,93.49 C74.1 ; R80.2 93.47,65.56 92.84,66.2 91.65,66.2 91.4,65.95 91.4,65.1 90.95,64.65 88.6,64.65 Q8.2 88.41,64.8 87.7,65.5 87.7,69.5 88.27,70.08 R79.2 ; R80.2 93.47,65.18 94.52,64.13 94.52,63.35 ; 12.31,1.23 12.56,1.23 13.44,2.11 C4.1 13.79,2.11 14.66,1.23 14.86,1.23 ; 12.31,1.23 14.86,1.23 ; 12.31,1.23 D1.1 11.38,1.1 6.92,1.1 1.05,6.97 1.05,9.17 C6.- 3.51,10.53 3.55,10.53 4.91,9.18 ; C84.1 85.43,29.15 84.85,28.58 84.85,28.4 ; C84.1 85.78,29.15 ; C84.1 85.78,29.15 ; 84.85,28.4 84.85,27.78 84.2,27.13 U14.41 ; 84.85,28.4 84.85,29.2 85.4,29.75 85.75,29.75 ; 91.45,22.38 90.7,22.38 89.6,23.48 C79.1 ; 91.45,22.38 92.2,22.38 92.6,22.78 92.6,26.73 91.9,27.43 90.75,27.43 ; 91.45,22.38 92.22,22.38 92.41,22.19 ; 90.75,27.43 90.05,26.73 88.05,26.73 88,26.78 ; 90.75,27.43 90.7,27.38 89.8,27.38 89.48,27.7 C90.1 ; 86.29,29.66 86.2,29.75 85.75,29.75 ; 86.29,29.66 85.78,29.15 ; 86.29,29.66 86.51,29.89 ; 85.78,29.15 86.5,28.43 87.85,28.43 88,28.28 88,26.78 ; 85.75,29.75 86.37,29.75 86.51,29.89 ; v1(77.55,61.1) v1(85.55,61.1) ; v1(85.55,61.1) v1(83.55,59.1) v1(79.55,59.1) 79.55,63.1 v1(81.55,65.1) v1(85.55,61.1) ; 93.47,32.5 90.65,32.5 89.88,33.27 87.95,33.27 ; 93.47,32.5 93.47,41.76 J5.1 ; 93.47,32.5 R81.2 ; 86.51,31.6 86.51,31.84 87.94,33.27 87.95,33.27 ; 86.51,31.6 86.51,29.89 ; 86.51,31.6 86.51,31.79 87.2,32.48 U17.2 87.2,32.6 87.87,33.27 87.95,33.27 ; C87.1 69.48,27.9 68.85,28.53 68.65,28.53 68.03,29.15 C75.1 ; C87.1 69.48,27.55 ; C87.1 69.48,27.55 ; 88,26.78 87.38,26.78 C82.1 ; 78.48,36.3 79.05,35.73 79.05,34.38 78.95,34.28 78.1,34.28 77.7,33.88 U14.56 v1(77.7,31.08) 81.5,31.08 84.95,34.53 84.95,38.82 C88.1 85.88,39.57 87.05,40.75 X1.3 X1.2 ; v1(78.3,35.58) C78.1 ; TP10.1 6.49,10.94 v1(6.89,10.53) ; 68.7,26.87 68.79,26.87 69.48,27.55 ; 68.7,26.87 68.59,26.87 68.03,26.3 C85.1 68.35,26.13 ; 68.7,26.87 70.3,26.87 70.16,26.87 69.48,27.55 ; 14.86,1.23 14.99,1.1 25.83,1.1 MD1.4 ; C83.1 78.03,17.45 77.27,16.7 76.07,16.7 75.52,16.15 72.47,16.15 71.55,15.22 U15.4 ; C83.1 78.03,17.45 77.3,18.18 77.3,19.4 77.7,19.8 ; C83.1 78.4,17.45 79.1,16.76 U16.4 79.1,12.62 77.25,10.78 C77.1 v1(77.06,10.05) ; R81.2 93.47,17.67 94.14,17.01 94.14,13.87 BT1.4 BT1.3 ; R81.2 93.47,21.13 92.41,22.19 ; 91.85,32.5 92.6,33.25 92.6,34.3 91.85,35.05 89.7,35.05 89.15,34.5 87.06,34.5 84.9,32.34 84.9,30.45 v1(84.8,30.35) ; v1(86.95,104.32) 86.95,107.5 ; v1(84.9,9) C76.1 84.9,19.73 86.88,21.7 C81.1 88.4,21.88 89.13,21.15 R82.2 89.48,21.15 90.75,19.88 92.1,19.88 92.55,20.33 92.55,22.05 92.41,22.19 ; X1.2 87.95,42.33 89.55,43.93 J5.1 ; X1.2 87.95,40.75 89.13,39.57 C89.1 ; J5.1 93.5,46.13 D23.K 94.52,50.37 94.52,53.13 D24.K 94.52,55.17 94.52,63.35 ; v1(76.7,35.58) C72.1 C73.1 v1(75.1,35.58) ; C9.1 69.3,61.1 66.55,63.85 66.55,66.86 MD2.1 67.49,73.24 C15.1 C14.1 ; 94.52,63.35 94.52,63.22 92.03,60.73 R77.1
  Top w0.25: C74.1 91.55,93.49 92.65,94.6 92.65,108.65 91.34,109.95 J4.8 89.26,109.95 86.95,107.65 86.95,107.5
  Top w0.3: 70.3,26.87 70.54,26.63 U14.9 v1(73,26.63) ; v1(68.75,26.13) C86.1 ; U14.25 77.7,19.8 ; U14.41 v1(81.9,27.13)
  Top w0.5: J4.8 92.65,111.3 92.65,113.68 J4.6
  In1.Cu w0.16: v1(77.06,10.05) 78.11,9 v1(84.9,9) 84.9,13.73 87.97,16.8 92.56,16.8 93.47,15.88 BT1.4 ; v1(77.7,31.08) 73.25,26.63 v1(73,26.63)
  In1.Cu w0.5: v1(74.58,110.49) 76.12,112.03 88.3,112.03 J4.6 93.3,113.03 93.3,111.95 J4.8 92.65,108.6 92.65,85.37 J3.6 ; MD2.1 67.49,43.19 v1(75.1,35.58) v1(78.3,35.58) ; v1(68.75,26.13) 68.75,26.98 58.8,36.93 58.8,79.19 71.75,92.14 71.75,103.29 v1(68.55,106.5)
  Bottom w0.16: Q1.2 33.43,105.17 32.98,105.62 31.9,105.62 R11.2 ; 72.84,107.81 72.73,107.69 ; 72.84,107.81 74.5,109.47 Q4.2 77.62,109.47 77.8,109.29 77.8,106.84 78,106.64 78.8,106.64 79.05,106.89 79.05,108.69 79.2,108.84 80.15,108.84 80.3,108.69 80.3,106.94 80.5,106.74 81.35,106.74 81.6,106.99 81.6,108.64 81.8,108.84 84.05,108.84 85.18,107.72 R26.1 ; 72.84,107.81 72.73,107.69 ; 72.73,107.69 70.03,110.39 68.73,110.39 68.53,110.19 68.53,108.94 68.8,108.67 U4.7 68.8,106.75 v1(68.55,106.5) ; 72.73,107.69 R20.2 ; 72.73,107.69 R22.2 72.73,104.09 73.3,103.52 73.65,103.52 74.5,102.67 Q5.2 ; 4.6,10.38 4.95,10.72 ; 4.6,10.38 3.21,8.99 C38.1 3.01,8.01 2.26,7.26 2.26,5.81 4.78,3.3 6.3,3.3 6.86,3.86 C8.1 8.06,3.86 ; 4.6,10.38 4.76,10.53 5.64,10.53 ; 4.95,10.72 5.14,10.53 5.64,10.53 ; 4.95,10.72 U1.5 ; U4.6 68.3,106.75 v1(68.55,106.5) ; BT1.3 87.25,0.48 32.12,0.48 MD1.4 25.06,3.94 v1(19.36,9.63) v1(17.91,9.63) ; 8.06,3.86 R6.1 ; 8.06,3.86 8.79,3.86 9.76,4.83 9.76,9.19 10.81,10.24 ; U1.8 v1(6.89,10.53) 5.64,10.53 ; v1(68.55,106.5) 67.8,107.25 U4.5 67.8,109.47 C37.1 ; v1(68.55,106.5) 67.8,105.75 U4.4 ; v1(17.91,9.63) U2.9 ; v1(17.91,9.63) v1(16.46,9.63) 15.66,9.63 14.39,10.91 C20.1 14.04,10.91 13.36,10.24 C19.- ; U2.9 17.91,13.33 17.19,14.06 C24.1 ; U2.9 17.91,12.61 U2.4 16.46,12.67 14.21,14.92 C22.1 ; C22.1 16.54,15.06 17.19,14.41 ; C22.1 C23.1 ; C24.1 17.19,14.41 ; C24.1 17.19,14.41 ; C27.1 23.01,13.61 23,13.62 ; v1(86.95,104.32) C41.1 ; C19.- 10.81,10.24 ; C19.- 10.81,10.24 ; R26.1 R24.1 ; R26.1 85.18,107.34 ; R24.1 85.18,102.89 ; R24.1 85.18,102.54 84.04,101.4 80.22,101.4 79.67,101.95 U5.3 ; 17.19,14.41 17.91,15.13 18.11,15.13 19.06,16.08 U3.3 19.56,16.08 20.71,14.94 20.71,14.31 v1(21.41,13.61) 21.41,12.53 21.24,12.36 C25.1 C31.1 ; C17.1 8.79,11.96 9.41,11.33 9.71,11.33 10.81,10.24 ; v1(86.95,105.92) C42.1
  Bottom w0.25: 50.4,99.44 FT3.1 50.72,99.44 57.78,106.5 v1(67.05,106.5) v1(68.55,106.5)
  Bottom w0.32: 14.8,69.83 14.8,70.53 14.5,70.83 12.75,70.83 12.4,70.48 11.5,70.48 11.2,70.78 11.2,91.33 25.36,105.49 R11.2 ; 14.8,69.83 14.8,70.33 ; 14.8,69.83 14.8,69.23 14.35,68.78 13.35,68.78 12.39,67.82 Q2.2 12.33,66.72 11.95,66.34 R13.2 11.95,65.98 11.5,65.53 11.5,64.88 10.73,64.11 10.73,64.1 6.75,60.13 6.75,54.58 9.4,51.93 9.4,49.75 7.6,47.95 7.6,32.13 1.05,25.58 1.05,12.78 3.3,10.53 4.76,10.53
  vias: v1(1.05,31.1) v1(1.05,27.1) v1(1.05,23.1) v1(1.05,19.1) v1(1.05,15.1) v1(1.05,7.1) v1(5.05,1.1) v1(10.05,1.1) v1(15.05,1.1) v1(16.55,31.1) v1(16.55,28.1) v1(20.05,1.1) v1(21.55,31.1) v1(21.55,28.1) v1(26.55,31.1) v1(26.55,28.1) v1(31.55,31.1) v1(31.55,28.1) v1(36.55,33.1) v1(36.55,28.1) v1(37.05,11.1) v1(37.05,1.1) v1(41.55,38.1) v1(41.55,31.1) v1(41.55,28.1) v1(42.05,17.1) v1(42.05,6.1) v1(46.05,22.1) v1(46.05,11.1) v1(46.05,1.1) v1(46.55,43.1) v1(46.55,31.1) v1(46.55,28.1) v1(50.05,17.1) v1(50.05,6.1) v1(51.55,31.1) v1(52.55,49.1) v1(54.05,22.1) v1(54.05,11.1) v1(54.05,1.1) v1(54.6,111.49) v1(54.6,107.5) v1(54.6,103.5) v1(54.6,99.5) v1(56.55,85.1) v1(57.15,112.49) v1(57.55,54.1) v1(58.05,17.1) v1(58.05,6.1) v1(58.55,81.1) v1(58.55,76.1) v1(58.55,70.1) v1(58.55,65.1) v1(58.55,59.1) v1(58.6,88.5) v1(61.6,99.5) v1(62.05,22.1) v1(62.05,11.1) v1(62.05,1.1) v1(62.55,54.1) v1(62.55,49.1) v1(62.55,43.1) v1(63.62,88.25) v1(64.6,112.49) v1(65.57,94.7) v1(66.05,17.1) v1(66.05,6.1) v1(66.55,85.1) v1(67.55,61.1) v1(67.75,100) v1(67.83,110.49) v1(70.05,106.5) v1(70.05,11.1) v1(70.05,1.1) v1(70.55,85.1) v1(71.55,61.1) v1(71.55,57.1) v1(71.6,112.49) v1(72.85,11.1) v1(73.05,6.1) v1(74.96,30.13) v1(75.55,90.1) v1(75.7,24.9) v1(77.55,57.1) v1(78.05,1.1) v1(78.26,26.48) v1(78.6,112.49) v1(79,24.95) v1(80.4,18.2) v1(81.55,90.1) v1(81.55,84.1) v1(81.55,78.1) v1(81.55,72.1) v1(81.55,68.1) v1(81.55,57.1) v1(81.5,34.9) v1(81.6,24.15) v1(83.05,6.1) v1(83.55,66.1) v1(85.35,76.1) v1(85.55,72.1) v1(85.55,68.1) v1(85.55,64.1) v1(85.6,57.1) v1(86.6,112.49) v1(87.05,1.1) v1(87.5,38.85) v1(88.57,101.55) v1(89.55,76.1) v1(93.6,100.5) v1(93.6,94.5) v1(93.6,89.5)
